# Altium PCB WhiteRHINO_0v1.PcbDoc (part 10 of 10)
Units mm, origin at the board's own origin, x right, y up, seen from the top; angles counter-clockwise.
Board outline 120.2 x 121.5 mm, 12 copper layers (L1_Top Layer, L2_GND, L3_Critical, L4_Critical, L5_GND, L6_Power, L7_Non-Critical, L8_Power, L9_Critical, L10_Critical, L11_GND, L12_Bottom Layer), stack 1.414 mm thick; 837 components, 556 nets, 3237 pads, 1790 vias.
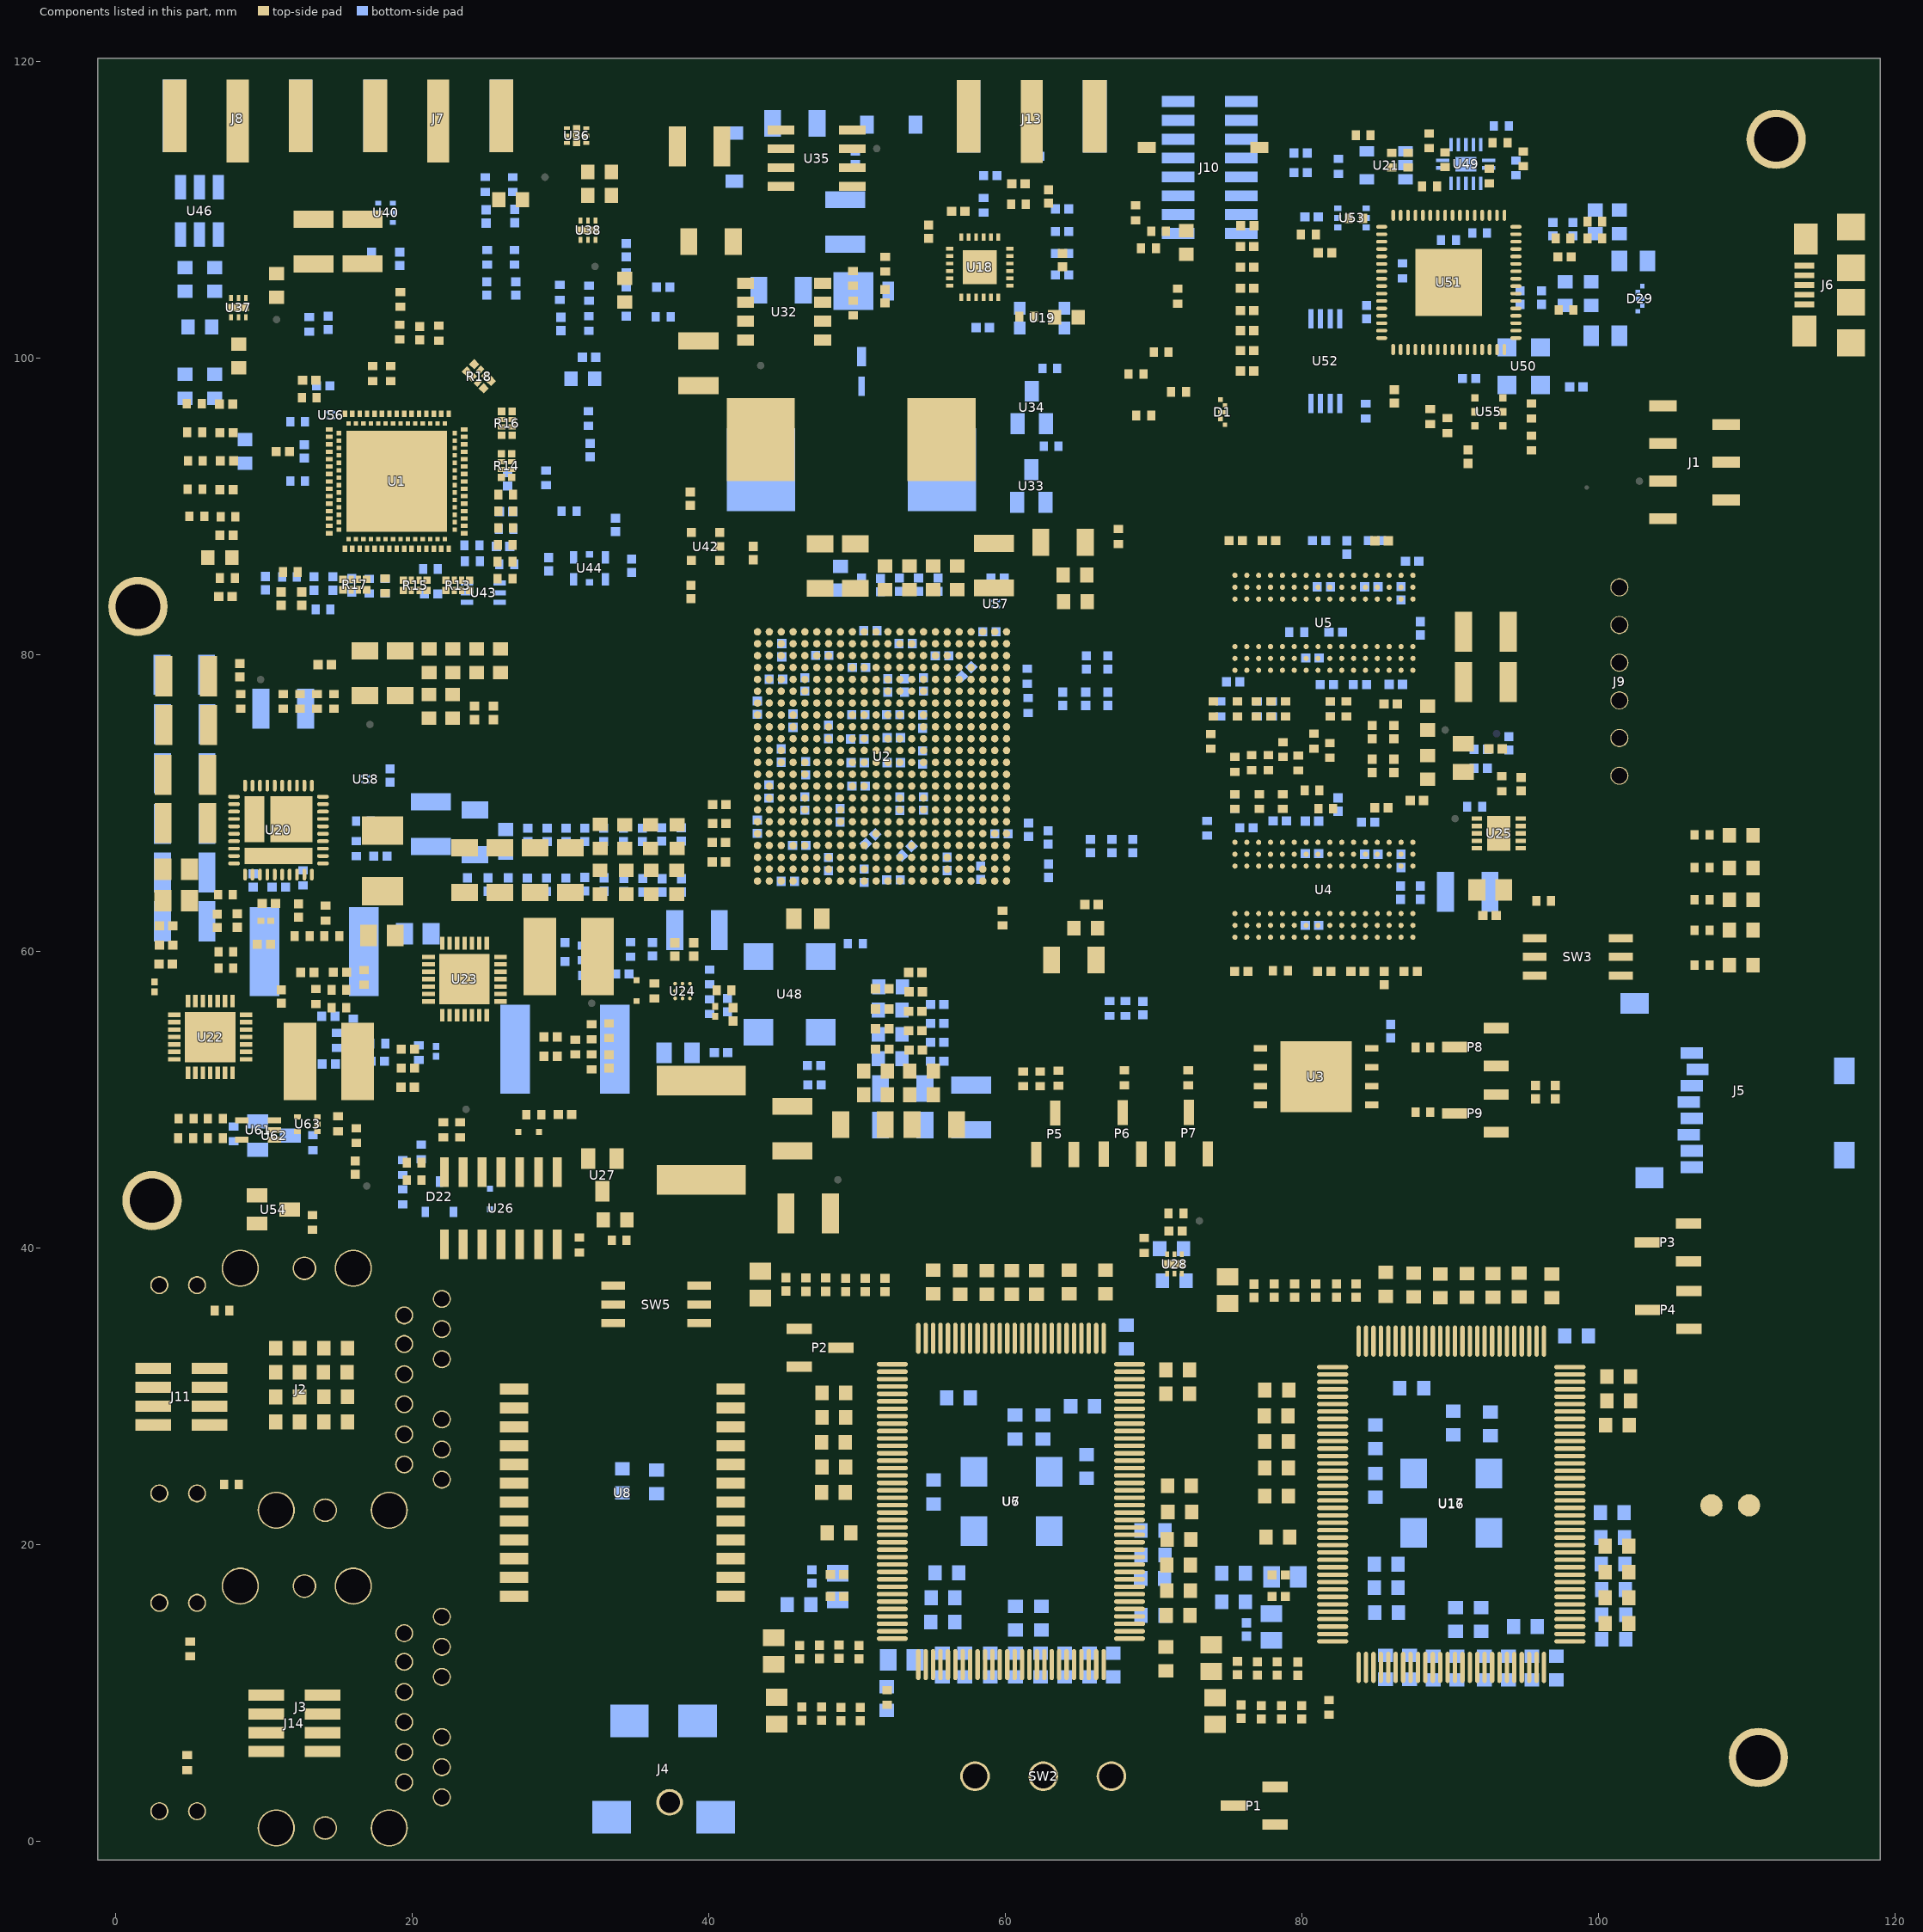
[diagram p20: the components of this part, seen from the top]

## Polygon pours and split planes (outlines as drawn) (continued)
GND on L2_GND (split plane): 118.515,-0.79 -0.665,-0.79 -0.665,111.398 0.25,111.398 0.315,111.406 0.376,111.432 0.428,111.472 0.449,111.498 15.608,111.498 16.928,110.178 16.961,110.156 17,110.148 21.525,110.148 21.564,110.156 21.597,110.178 24.142,112.723 28.225,112.723 28.264,112.731 28.297,112.753 28.322,112.778 28.344,112.811 28.352,112.85 28.352,118.597 28.376,118.607 28.428,118.647 28.468,118.699 28.494,118.76 28.502,118.825 28.502,119.69 55.623,119.69 55.623,118.775 55.631,118.71 55.657,118.649 55.697,118.597 55.749,118.557 55.773,118.547 55.773,113.375 55.781,113.336 55.803,113.303 56.103,113.003 56.136,112.981 56.175,112.973 59.883,112.973 60.353,112.503 60.386,112.481 60.425,112.473 63.05,112.473 63.089,112.481 63.122,112.503 63.817,113.198 66.5,113.198 66.539,113.206 66.572,113.228 66.997,113.653 67.019,113.686 67.027,113.725 67.027,118.822 67.051,118.832 67.103,118.872 67.143,118.924 67.169,118.985 67.177,119.05 67.177,119.69 118.515,119.69
GND on L5_GND (split plane): 118.515,-0.79 -0.665,-0.79 -0.665,119.69 118.515,119.69
DDR_0V75 on L6_Power (split plane): 84.873,70.965 84.856,70.939 84.848,70.9 84.856,70.861 84.878,70.828 84.911,70.806 84.95,70.798 90.198,70.798 90.198,66.377 83.475,66.377 83.452,66.372 83.452,68.075 83.444,68.114 83.422,68.147 82.772,68.797 82.739,68.819 82.7,68.827 81.325,68.827 81.286,68.819 81.253,68.797 80.728,68.272 80.706,68.239 80.698,68.2 80.698,66.377 71.502,66.377 71.502,77.775 71.497,77.8 71.502,77.825 71.502,78.498 84.873,78.498
VCC1V0 on L6_Power (split plane): 51.623,62.827 21.967,62.827 21.302,63.492 21.302,73.298 38.85,73.298 38.889,73.306 38.922,73.328 41.842,76.248 51.623,76.248
VCC_1V8_RXLO_LM on L6_Power (split plane): 36.173,100.452 31.277,100.452 31.277,101.3 31.277,106 31.277,106.073 36.173,106.073
A_VCC1V8 on L6_Power (split plane): 97.873,115.308 97.873,99.967 92.258,94.352 64.575,94.352 64.536,94.344 64.503,94.322 55.628,85.447 55.606,85.414 55.598,85.375 55.598,83.275 55.598,80.427 54.95,80.427 54.911,80.419 54.878,80.397 54.853,80.372 54.831,80.339 54.823,80.3 54.823,79.55 54.823,78.077 54.175,78.077 54.138,78.069 54.1,78.077 54.061,78.069 54.028,78.047 54.006,78.014 53.998,77.975 53.998,77.15 53.998,70.325 53.998,69.186 53.978,69.172 53.956,69.139 53.948,69.1 53.956,69.061 53.978,69.028 53.998,69.014 53.998,59.375 54.006,59.336 54.028,59.303 54.061,59.281 54.1,59.273 54.139,59.281 54.165,59.298 57.933,59.298 59.573,57.658 59.573,43.401 59.573,43.4 59.581,43.361 59.603,43.328 64.253,38.678 64.286,38.656 64.325,38.648 97.983,38.648 105.423,31.208 105.423,-0.097 105.399,-0.107 105.347,-0.147 105.307,-0.199 105.281,-0.26 105.273,-0.325 105.273,-0.79 41.077,-0.79 41.077,0.025 41.069,0.09 41.043,0.151 41.003,0.203 40.951,0.243 40.927,0.253 40.927,34.708 48.097,41.878 48.119,41.911 48.127,41.95 48.127,58.383 49.042,59.298 51.7,59.298 51.739,59.306 51.772,59.328 51.797,59.353 51.819,59.386 51.827,59.425 51.827,77.15 51.827,77.798 52.475,77.798 52.514,77.806 52.547,77.828 52.569,77.861 52.577,77.9 52.577,80.223 53.3,80.223 53.339,80.231 53.372,80.253 53.394,80.286 53.402,80.325 53.402,83.275 53.402,86.958 65.042,98.598 77.125,98.598 77.164,98.606 77.197,98.628 79.647,101.078 79.669,101.111 79.677,101.15 79.677,115.308 80.892,116.523 96.658,116.523
DDR_VREF on L6_Power (split plane): 90.128,84.978 90.228,84.878 93.873,81.233 93.873,61.967 92.033,60.127 75.442,60.127 66.397,69.172 66.364,69.194 66.325,69.202 54.202,69.202 54.202,70.325 54.202,76.198 61.95,76.198 61.989,76.206 62.022,76.228 74.792,88.998 86.108,88.998
VCC_3V3_LM on L6_Power (split plane): 33.773,110.25 33.781,110.185 33.807,110.124 33.847,110.072 33.899,110.032 33.96,110.006 34.025,109.998 52.75,109.998 52.815,110.006 52.876,110.032 52.928,110.072 54.979,112.123 63.746,112.123 66.473,109.396 66.473,104.729 63.571,101.827 55.204,101.827 50.528,106.503 50.476,106.543 50.415,106.569 50.35,106.577 31.025,106.577 30.96,106.569 30.899,106.543 30.847,106.503 30.807,106.451 30.781,106.39 30.773,106.325 30.773,106 30.773,105.775 30.773,101.552 29.127,101.552 29.127,103.596 29.128,103.597 29.168,103.649 29.194,103.71 29.202,103.775 29.202,106.078 29.218,106.099 29.244,106.16 29.252,106.225 29.252,113.475 29.244,113.54 29.218,113.601 29.178,113.653 29.126,113.693 29.065,113.719 29,113.727 26.075,113.727 26.01,113.719 25.949,113.693 25.897,113.653 25.857,113.601 25.831,113.54 25.823,113.475 25.823,111.375 25.831,111.31 25.857,111.249 25.873,111.228 25.873,102.825 25.873,96.75 25.873,96.725 25.881,96.66 25.907,96.599 25.947,96.547 28.749,93.745 28.756,93.685 28.782,93.624 28.822,93.572 31.773,90.621 31.773,87.429 30.721,86.377 28.902,86.377 28.902,87.525 28.894,87.59 28.868,87.651 28.828,87.703 28.776,87.743 28.715,87.769 28.65,87.777 25.3,87.777 25.235,87.769 25.174,87.743 25.122,87.703 25.082,87.651 25.056,87.59 25.048,87.525 25.048,84.404 23.546,82.902 9.552,82.902 9.552,87.173 10.05,87.173 10.115,87.181 10.176,87.207 10.228,87.247 12.603,89.622 12.643,89.674 12.669,89.735 12.677,89.8 12.677,108.225 12.669,108.29 12.643,108.351 12.603,108.403 12.551,108.443 12.49,108.469 12.425,108.477 9.3,108.477 9.235,108.469 9.174,108.443 9.122,108.403 9.082,108.351 9.056,108.29 9.048,108.225 9.048,90.302 3.677,90.302 3.677,97.925 3.677,98.6 3.677,107.95 3.677,114.021 5.304,115.648 22.603,115.648 22.624,115.632 22.685,115.606 22.75,115.598 22.815,115.606 22.876,115.632 22.928,115.672 22.929,115.673 33.773,115.673
VCC_1V8_TXLO_LM on L6_Power (split plane): 12.173,89.904 9.946,87.677 3.627,87.677 3.627,89.798 9.3,89.798 9.365,89.806 9.426,89.832 9.478,89.872 9.518,89.924 9.544,89.985 9.552,90.05 9.552,107.973 12.173,107.973
VU_12V0 on L6_Power (split plane): 173 vertices, not listed, extent -0.665,-0.79 118.515,119.69
VCC_1V8_LM on L6_Power (split plane): 28.748,106.297 28.732,106.276 28.706,106.215 28.698,106.15 28.698,104.054 28.697,104.053 28.657,104.001 28.631,103.94 28.623,103.875 28.623,101.3 28.631,101.235 28.657,101.174 28.697,101.122 28.749,101.082 28.81,101.056 28.875,101.048 30.773,101.048 30.773,100.25 30.776,100.225 30.773,100.2 30.781,100.135 30.807,100.074 30.847,100.022 30.899,99.982 30.96,99.956 31.025,99.948 33.798,99.948 33.798,96.85 33.798,93.9 33.798,85.354 29.146,80.702 4.675,80.702 4.429,80.702 3.677,81.454 3.677,84.575 3.669,84.64 3.643,84.701 3.627,84.722 3.627,87.173 9.048,87.173 9.048,82.75 9.054,82.7 9.048,82.65 9.056,82.585 9.082,82.524 9.122,82.472 9.174,82.432 9.235,82.406 9.3,82.398 23.65,82.398 23.715,82.406 23.776,82.432 23.828,82.472 25.478,84.122 25.518,84.174 25.544,84.235 25.552,84.3 25.552,87.273 28.398,87.273 28.398,86.15 28.399,86.138 28.398,86.125 28.406,86.06 28.432,85.999 28.472,85.947 28.524,85.907 28.585,85.881 28.65,85.873 30.825,85.873 30.89,85.881 30.951,85.907 31.003,85.947 32.203,87.147 32.243,87.199 32.269,87.26 32.277,87.325 32.277,90.725 32.269,90.79 32.251,90.833 32.243,90.851 32.226,90.874 32.203,90.903 29.251,93.855 29.244,93.915 29.218,93.976 29.178,94.028 26.377,96.829 26.377,102.825 26.377,113.1 26.369,113.165 26.345,113.223 28.748,113.223
VCC1V0 on L8_Power (split plane): 55.623,75.627 54.925,75.627 54.886,75.619 54.853,75.597 54.828,75.572 54.806,75.539 54.798,75.5 54.798,73.9 54.798,69.875 54.806,69.836 54.828,69.803 54.861,69.781 54.9,69.773 55.586,69.773 55.586,69.15 52.602,69.15 52.602,69.875 52.594,69.914 52.572,69.947 52.539,69.969 52.5,69.977 49.427,69.977 49.427,76.223 55.623,76.223
VCC_6V0_SG on L8_Power (split plane): 51.298,118.475 51.306,118.41 51.332,118.349 51.372,118.297 51.424,118.257 51.448,118.247 51.448,102.492 46.433,97.477 38.577,97.477 38.577,118.384 38.591,118.403 38.617,118.464 38.625,118.529 38.625,119.69 51.298,119.69
DDR_1V5 on L8_Power (split plane): 89.748,89.05 89.748,56.627 74.717,56.627 73.322,58.022 73.289,58.044 73.25,58.052 62.002,58.052 62.002,65.05 61.994,65.089 61.972,65.122 61.947,65.147 61.914,65.169 61.875,65.177 58.217,65.177 58.202,65.192 58.202,65.775 58.202,67.525 58.194,67.564 58.172,67.597 58.139,67.619 58.1,67.627 57.427,67.627 57.427,68.25 57.419,68.289 57.397,68.322 57.364,68.344 57.325,68.352 56.577,68.352 56.577,69.875 56.569,69.914 56.547,69.947 56.514,69.969 56.475,69.977 55.002,69.977 55.002,73.9 55.002,75.423 55.725,75.423 55.764,75.431 55.797,75.453 55.819,75.486 55.827,75.525 55.827,76.223 56.5,76.223 56.539,76.231 56.572,76.253 56.597,76.278 56.619,76.311 56.627,76.35 56.627,77.023 58,77.023 58.039,77.031 58.072,77.053 58.094,77.086 58.102,77.125 58.102,78.825 58.102,81.175 58.102,81.923 60.225,81.923 60.264,81.931 60.297,81.953 60.319,81.986 60.327,82.025 60.327,82.033 61.089,82.795 61.111,82.828 61.119,82.867 61.119,84.545 61.18,89.012 65.626,89.073 89.753,89.073
VCC3V3 on L8_Power (split plane): 168 vertices, not listed, extent -0.223,-0.79 118.515,119.69
VCC5V0 on L8_Power (split plane): 22.646,62.657 22.66,62.648 22.675,62.639 22.677,62.638 22.68,62.636 22.697,62.634 22.714,62.631 40.748,62.631 40.748,45.479 40.1,45.479 40.09,45.477 -0.223,45.477 -0.223,80.618 2.461,80.618
VADJ on L8_Power (split plane): 38.121,118.529 38.129,118.464 38.155,118.403 38.195,118.351 38.247,118.31 38.308,118.285 38.373,118.277 38.373,118.075 38.373,97.44 38.356,97.414 38.348,97.375 38.356,97.336 38.373,97.31 38.373,85.475 38.381,85.436 38.403,85.403 41.848,81.958 41.848,78.75 41.856,78.711 41.878,78.678 42.703,77.853 42.736,77.831 42.775,77.823 45.808,77.823 45.998,77.633 45.998,77.325 46.006,77.286 46.028,77.253 46.228,77.053 46.261,77.031 46.3,77.023 49.223,77.023 49.223,69.915 49.206,69.889 49.198,69.85 49.198,62.827 40.889,62.827 40.85,62.835 22.752,62.835 0.049,83.037 0.015,83.057 -0.025,83.063 -0.063,83.053 -0.095,83.029 -0.115,82.994 -0.12,82.955 -0.11,82.917 -0.086,82.885 2.232,80.822 0.083,80.822 0.076,80.86 0.053,80.893 0.02,80.915 -0.019,80.923 -0.058,80.915 -0.091,80.893 -0.162,80.822 -0.223,80.822 -0.223,82.525 -0.231,82.564 -0.253,82.597 -0.286,82.619 -0.325,82.627 -0.364,82.619 -0.397,82.597 -0.419,82.564 -0.427,82.525 -0.427,80.792 -0.449,80.759 -0.457,80.72 -0.449,80.681 -0.427,80.648 -0.427,-0.79 -0.665,-0.79 -0.665,119.69 38.121,119.69
GND on L11_GND (split plane): 118.515,-0.79 -0.665,-0.79 -0.665,119.69 118.515,119.69

## Other copper
L1_Top Layer:
  rectangle net GND: 65.1,118.375 67.625,118.85
  rectangle net GND: 53.5,117.775 57.075,118.725
  rectangle net GND: 4.6,82.55 5.825,84.525
  rectangle net GND: 0.075,86.675 2.175,87.05
  rectangle net GND: 2.025,86.7 5.15,88.225
  rectangle net GND: 1.575,87.975 1.875,88.225
  rectangle net GND: 0.825,110.5 1.725,110.7
  rectangle net GND: 0.825,110.5 2.425,110.6
  rectangle net GND: 25.5,116.675 33.55,118.725
  rectangle net GND: 12.9,113.825 17.1,118.725
  rectangle net GND: 1.8,113.875 3.975,118.775
  rectangle net VCC3V3: 46.7,82.925 57.425,84.925
  rectangle net VADJ: 41.05,64.1 42,70.2
  rectangle net VADJ: 20.75,76.925 24.4,79.15
  rectangle net VADJ: 23.95,76.3 26.45,79.125
  rectangle net VCC1V0: 22.775,65.1 38.1,67.25
  rectangle net VU_12V0: 6.025,71.425 7.5,79.85
  rectangle net GND: 75,98.8 75.95,109.225
  rectangle net VCC3V3: 76.675,98.75 77.8,109.225
  rectangle net GND: 4.9,81.6 28.5,82.075
  rectangle net GND: 36.1,83.725 36.717,88.142
  rectangle net GND: 27.967,83.225 36.717,83.725
  rectangle net VCC3V3: 41.45,85.7 42.375,88.6
  rectangle net GND: 36.1,88.142 36.717,88.35
  rectangle net GND: 72.3,12.75 73.35,14.125
  rectangle net GND: 43.075,13.275 50.8,14.925
  rectangle net GND: 43.075,6.425 50.875,8.025
  rectangle net A_VCC1V8: 43.15,9.15 50.85,12.2
  rectangle net GND: 42.325,38.05 52.55,39.525
  rectangle net VCC3V3: 42.375,35.475 52.525,37.15
  rectangle net GND: 75.125,12.55 75.35,12.875
  rectangle net GND: 75.35,11.925 80.2,12.925
  rectangle net GND: 73.15,12.75 80.2,14.125
  rectangle net GND: 72.6,6.875 80.3,8.425
  rectangle net A_VCC1V8: 72.5,9.075 80.325,11.175
  rectangle net GND: 74.3,35.25 83.975,36.55
  rectangle net VCC3V3: 74.25,37.5 83.975,39.125
  rectangle net DDR_1V5: 62.025,85.725 63.1,86.45
  rectangle net DDR_1V5: 61.55,86.075 62.9,88.8
  rectangle net DDR_1V5: 61.55,82.875 64.225,86.075
  rectangle net GND: 65.175,82.975 66.975,88.5
  rectangle net GND: 62.65,62.5 64.8,63.225
  rectangle net GND: 63.35,60.7 63.95,61.275
  rectangle net GND: 63.475,62.1 64.6,62.8
  rectangle net GND: 62.375,62.7 65.35,63.45
  rectangle net GND: 62.425,61.075 64.925,62.125
  rectangle net GND: 62.375,58.5 63.625,63.2
  rectangle net DDR_1V5: 84.325,73.825 87.675,74.6
  rectangle net GND: 87.6,70.875 89.275,71.95
  rectangle net GND: 84.15,71.3 87.725,72.275
  rectangle net GND: 86.2,74.925 87.175,77.125
  rectangle net GND: 84.45,74.925 87.175,75.8
  rectangle net GND: 36.1,88.35 36.717,118.725
  rectangle net GND: 27.925,81.9 28.5,83.3
  rectangle net VCC_1V8_TXLO_LM: 10.45,102.625 11.3,103.975
  rectangle net GND: 36.1,118.175 53.5,118.725
  rectangle net GND: 52.975,99.275 53.525,118.725
  rectangle net GND: 53.025,99.25 59.4,99.75
  rectangle net GND: 58.75,89.875 59.425,100.7
  rectangle net GND: 36.125,92.375 40.2,92.95
  rectangle net GND: 39.575,89.55 40.2,92.9
  rectangle net GND: 39.575,89.35 59.425,89.975
  rectangle net GND: 58.75,100.425 67.6,100.925
  rectangle net GND: 67.05,100.425 67.625,118.65
  rectangle net GND: 86.2,76.1 89.15,77.125
  rectangle net GND: 33.625,97.025 36.4,100.7
  rectangle net GND: 31.4,83.7 36.275,84.475
  rectangle net GND: 4.4,81.925 8.775,83.075
  rectangle net GND: 1.625,86.825 2.975,110.65
  rectangle net GND: 32.825,116.65 36.225,118.725
  rectangle net GND: 34.075,113.9 36.275,117.05
  rectangle net GND: 34.175,91.95 36.325,94.45
  rectangle net GND: 65.1,114 67.425,118.375
  rectangle net GND: 53.25,115.475 57,118.3
  rectangle net GND: 53.175,99.475 56.725,102.35
  rectangle net GND: 4.4,81.625 5.125,87.05
  rectangle net GND: 1.725,98.1 5.65,110.65
  rectangle net GND: 35.875,116.75 40.7,118.4
  rectangle net GND: 0.075,86.9 1.8,118.775
  rectangle net GND: 25.45,82.05 27.967,83.725
L12_Bottom Layer:
  rectangle net GND: 4.4,80.7 5.225,88.05
  rectangle net GND: 0.125,86.65 5,88.05
  rectangle net VCC1V0: 27.15,66.025 27.825,66.775
  rectangle net VCC1V0: 27.275,66.325 27.8,66.975
  rectangle net VCC3V3: 48.425,82.925 55.85,84.525
  rectangle net VCC1V0: 23.475,64.922 27.784,66.6
  rectangle net VCC1V0: 27.525,64.884 38.166,67.45
  region net VCC5V0: 7.7,60.775 7.7,79.95 5.85,79.95 5.85,60.775
  rectangle net GND: 1.575,86.75 2.25,118.75
  rectangle net GND: 4.425,80.675 27.075,81.05
  rectangle net GND: 26.7,80.675 27.075,81.85
  rectangle net GND: 26.675,81.5 39.75,81.85
  rectangle net GND: 39.175,81.5 39.75,118.65
  rectangle net GND: 39.15,87.4 59.425,87.9
  rectangle net GND: 58.775,87.4 59.425,100.35
  rectangle net GND: 52.975,99.275 59.4,99.775
  rectangle net GND: 52.975,99.275 53.525,112.075
  rectangle net GND: 52.975,111.5 56.5,112.075
  rectangle net GND: 55.9,111.5 56.5,118.625
  rectangle net GND: 39.325,118.175 56.5,118.775
  rectangle net GND: 58.75,100.075 67.6,100.6
  rectangle net GND: 67.05,100.175 67.6,118.725
  rectangle net GND: 56.225,118.075 67.6,118.775
  rectangle net GND: 36.425,91.525 39.425,95.775
  rectangle net GND: 35.925,116.6 39.175,118.65
  rectangle net GND: 36.125,106.225 39.6,111.5
  rectangle net GND: 4.7,80.875 10.7,81.825
  rectangle net GND: 1.725,86.75 2.7,110.6
  rectangle net GND: 54.2,116.875 57.975,118.45
  rectangle net GND: 63.425,116.125 67.175,118.45
  rectangle net GND: 53.175,99.45 56.5,101.575
  rectangle net GND: 65.225,100.25 67.375,102.2
  rectangle net GND: 53.075,97.35 56.475,99.65
  rectangle net GND: 0.025,86.7 1.575,118.75
  rectangle net GND: 1.575,113.875 3.675,118.75
  rectangle net GND: 13.125,113.825 17.15,118.775
  rectangle net GND: 26.625,116.625 37.075,118.725
L2_GND (plane layer: these items are gaps in the copper):
  pour cut-out: -0.665,119.69 -0.675,115.225 -0.665,111.902 15.925,111.775 17.15,110.55 21.325,110.55 24,113.225 27.825,113.225 27.825,118.8 27.725,119.75 13.675,119.7 -0.35,119.75
  pour cut-out: 55.975,119.825 55.975,119.7 55.992,113.402 56.217,113.177 59.967,113.177 60.467,112.677 63.019,112.677 63.759,113.417 66.473,113.417 66.823,113.767 66.8,119.775 61.325,119.775
  lines w0.2: -0.275,111.6 15.65,111.6 17,110.25 21.525,110.25 24.1,112.825 28.225,112.825 28.25,112.85 28.25,119.075 ; 55.875,119.025 55.875,113.375 56.175,113.075 59.925,113.075 60.425,112.575 63.05,112.575 63.775,113.3 66.5,113.3 66.925,113.725 66.925,119.225
  lines w0.5: -1.325,111.65 0.25,111.65 ; 28.25,118.825 28.25,120.175 ; 55.875,118.775 55.875,120.375 ; 66.925,119.05 66.925,120.125
L6_Power (plane layer: these items are gaps in the copper):
  lines w0.2: 40.825,-0.4 40.825,34.75 48.025,41.95 48.025,58.425 49,59.4 51.7,59.4 51.725,59.425 51.725,77.15 51.725,77.875 51.75,77.9 52.475,77.9 52.475,80.3 52.5,80.325 53.3,80.325 53.3,83.275 53.3,87 65,98.7 77.075,98.7 ; 41.7,76.325 41.725,76.35 49.35,76.35 51.725,76.35 ; 41.812,76.363 38.85,73.4 21.2,73.4 21.2,63.45 21.925,62.725 51.7,62.725 ; 54.05,69.1 66.325,69.1 75.4,60.025 92.075,60.025 93.975,61.925 93.975,81.275 90.2,85.05 ; 54.1,59.375 54.1,70.325 54.1,77.15 54.1,77.975 ; 54.1,59.4 57.975,59.4 59.675,57.7 59.675,43.4 64.325,38.75 98.025,38.75 105.525,31.25 105.525,-0.325 105.55,-0.35 ; 54.125,76.3 61.95,76.3 74.75,89.1 86.15,89.1 90.3,84.95 ; 54.175,77.975 54.925,77.975 54.925,79.55 54.925,80.3 54.95,80.325 55.7,80.325 55.7,83.275 55.7,85.375 64.575,94.25 92.3,94.25 97.975,99.925 97.975,115.35 96.7,116.625 80.85,116.625 79.575,115.35 79.575,101.15 77.125,98.7 76.725,98.7 ; 71.4,77.775 71.4,66.275 80.8,66.275 80.8,68.2 81.325,68.725 82.7,68.725 83.35,68.075 83.35,66.275 ; 71.4,77.825 71.4,78.6 84.975,78.6 84.975,70.925 84.95,70.9 90.3,70.9 90.3,66.275 83.475,66.275
  lines w0.5: 3.375,84.625 3.375,87.425 ; 3.425,84.575 3.425,81.35 4.3,80.475 ; 3.425,90.3 3.425,97.925 3.425,98.6 3.425,107.95 3.425,114.125 5.2,115.9 22.7,115.9 ; 4.325,80.45 5.65,80.45 ; 4.675,80.45 29.25,80.45 34.025,85.225 ; 9.3,82.65 23.65,82.65 25.3,84.3 25.3,87.525 28.65,87.525 28.65,86.15 28.675,86.125 ; 9.3,82.75 9.3,87.425 ; 22.75,115.85 22.675,115.925 34.025,115.925 34.025,110.25 38.8,110.25 52.75,110.25 54.875,112.375 63.85,112.375 66.725,109.5 66.725,104.625 63.675,101.575 55.1,101.575 50.35,106.325 36.425,106.325 ; 26.075,111.375 26.075,113.475 29,113.475 29,106.225 ; 26.125,113.1 26.125,102.825 26.125,96.75 26.125,96.725 29,93.85 ; 28.65,86.125 30.825,86.125 32.025,87.325 32.025,90.725 29,93.75 ; 28.875,103.875 28.875,101.3 31.025,101.3 ; 28.95,103.775 28.95,106.15 ; 31.025,100.2 36.425,100.2 ; 31.025,100.25 31.025,101.3 ; 31.025,105.775 31.025,106.325 36.425,106.325 ; 31.025,106 31.025,101.3 ; 34.05,85.25 34.05,93.9 34.05,96.85 34.05,100.175 ; 36.45,100.15 36.425,100.175 36.425,106.325 ; 40.825,-1.325 40.825,0.025 ; 105.525,-1.275 105.525,-0.325 ; 3.375,87.425 3.375,90.05 9.3,90.05 9.3,108.225 12.425,108.225 12.425,89.8 10.05,87.425 9.3,87.425 ; 3.375,87.425 9.3,87.425
L5_GND (plane layer: these items are gaps in the copper):
  lines w0.2: 28.25,112.85 28.275,112.825
L11_GND (plane layer: these items are gaps in the copper):
  lines w0.5: 1.825,118.3 1.875,118.35 ; 39.725,99.475 39.75,99.5
L8_Power (plane layer: these items are gaps in the copper):
  lines w0.2: -0.355,80.72 2.5,80.72 -0.12,80.72 -0.019,80.821 ; -0.325,-0.975 -0.325,82.525 ; -0.275,45.375 1.7,45.375 40.6,45.375 ; -0.019,82.961 22.714,62.733 40.85,62.733 40.85,45.402 40.825,45.377 ; 38.45,97.375 46.475,97.375 51.55,102.45 51.55,118.475 ; 38.45,118.464 38.475,118.439 ; 38.475,118.075 38.475,119.275 38.475,118.439 ; 40.1,45.377 40.925,45.377 ; 40.85,62.725 49.3,62.725 49.3,69.85 49.325,69.875 ; 49.427,76.325 55.725,76.325 ; 51.55,118.275 51.55,119.375 ; 55.425,69.875 54.9,69.875 ; 55.688,69.875 55.688,69.061 55.675,69.048 52.5,69.048 52.5,69.875 ; 85.475,89.175 88.7,89.175 ; 85.625,89.175 65.625,89.175 61.08,89.113 61.017,84.546 61.017,82.867 60.225,82.075 60.225,82.025 58,82.025 58,81.175 58,78.825 58,77.125 56.525,77.125 56.525,76.35 56.5,76.325 55.725,76.325 ; 88.575,89.175 89.225,89.175 89.975,89.175 89.85,89.05 89.85,56.55 89.825,56.525 88.65,56.525 74.675,56.525 73.25,57.95 61.9,57.95 61.9,65.05 61.875,65.075 61.025,65.075 58.9,65.075 58.175,65.075 58.1,65.15 58.1,65.775 58.1,67.525 57.325,67.525 57.325,68.25 56.5,68.25 56.475,68.275 56.475,69.875 54.9,69.875 ; 113.009,118.464 113.043,118.497 ; 38.475,118.439 38.475,85.475 41.95,82 41.95,78.75 42.775,77.925 45.85,77.925 46.1,77.675 46.1,77.325 46.3,77.125 49.275,77.125 49.325,77.175 49.325,69.875 ; 49.325,69.875 52.5,69.875 ; 52.5,69.875 52.5,69.875 ; 54.9,69.875 54.9,73.9 54.9,75.5 54.925,75.525 55.65,75.525 55.725,75.525 55.725,76.325
  lines w0.5: 38.373,118.529 38.373,120.273 ; 51.55,118.475 51.55,120.25

## Silkscreen, mask and mechanical layers (free items; w line width, h text height)
Top Overlay:
  drawing of 4262 lines, arcs and shapes, not listed
  text "Design by" at 112.353,88.439 h2.03 r90
  text "Alan Langman" at 114.85,85.175 h2.03 r90
  text "Ojonav Hazarika" at 116.65,83.5 h2.03 r90
  text "WHITE RHINO" at 116.5,41.575 h3 r90
  text "May 2013" at 114.2,25.55 h1.5 r90
  text "SHIELD" at 108.525,13.625 h1 r90
  text "White RHINO v0.1" at 114.4,2.925 h1.5 r90
  text "(C) Alan Langman and Ojonav Hazarika" at 117.225,2.925 h1.5 r90
  text "Cape Town" at 107.408,1.937 h1.52 r90
  text "University of" at 105.884,1.683 h1.52 r90
  text "S/N" at 116.858,1.478 h1.5 r180
Mechanical 16:
  lines w0.5: -1.175,-1.3 119.025,-1.3 119.025,120.2 -1.175,120.2 -1.175,119.025 -1.175,-1.3
Drill Drawing:
  drawing of 173 lines, arcs and shapes, not listed
  text "1" at 7.851,414.132 h1.78
  text "2" at 109.324,414.132 h1.78
  text "3" at 210.797,414.132 h1.78
  text "4" at 312.423,414.132 h1.78
  text "5" at 413.98,414.132 h1.78
  text "REVISION STATUS" at 370.985,406.681 h2.78
  text "DESCRIPTION" at 371.284,402.158 h1.91
  text "DRAWN" at 416.616,402.158 h1.52
  text "APPROVED" at 429.948,402.158 h1.52
  text "DATE" at 447.947,402.158 h1.52
  text "REV" at 341.399,401.929 h1.52
  text "1.0" at 341.632,393.485 h1.52
  text "A" at -39.542,352.973 h1.78
  text "NOTES (UNLESS OTHERWISE SPECIFIED):" at 143.4,312.875 h2.54
  text "1." at 138.258,303.447 h2.54
  text "MAT'L: COPPER CLAD PLATED SHEET PER IPC-4101B/124." at 145.878,303.447 h2.54
  text "a) LAMINATE AND PREPREG TO BE IN ACCORDANCE WITH IPC-4101B/124.  MATERIAL MUST" at 145.411,298.648 h2.54
  text "MEET UL 94V-0 FLAMMABILITY RATING.  THE MATERIAL SHALL BE ROHS COMPLIANT" at 150.491,294.838 h2.54
  text "WITH TG OF 150°C MINIMUM AND TD OF 330 C MINIMUM." at 150.491,290.393 h2.54
  text "b) COPPER FOIL TO BE IN ACCORDANCE WITH IPC-MF-150." at 144.776,285.948 h2.54
  text "FINISHED COPPER WEIGHT:" at 150.323,281.857 h2.54
  text "SEE BOARD STACKUP" at 153.498,278.047 h2.54
  text "c) TOTAL BOARD THICKNESS OVER MASK, 1.434 MM +/- 10%." at 144.141,273.248 h2.54
  text "2a." at 138.258,267.887 h2.54
  text "UNLESS OTHERWISE SPECIFIED ALL HOLE DIMENSIONS APPLY AFTER PLATING." at 145.878,267.887 h2.54
  text "2b.ALL PLATED THROUGH HOLES TO HAVE A MINIMUM OF .025 MM COPPER." at 138.142,262.604 h2.54
  text "3." at 138.258,254.552 h2.54
  text "ALL HOLES SHALL BE LOCATED WITHIN 0.75 MM DIAMETER OF TRUE" at 145.878,254.552 h2.54
  text "POSITION. LAYER TO LAYER REGISTRATION SHALL BE WITHIN .003\"." at 145.878,250.107 h2.54
  text "ALL HOLES SURROUNDED BY LAND SHALL HAVE A MINIMUM" at 145.243,245.662 h2.54
  text "ANNULAR RING OF 0.1 MM" at 145.878,241.217 h2.54
  text "4." at 138.258,236.772 h2.54
  text "CONDUCTOR WIDTHS AND SPACING SHALL BE WITHIN +/- 10%" at 145.878,236.772 h2.54
  text "OF ARTWORK ORIGINALS." at 145.878,232.327 h2.54
  text "5." at 138.258,227.882 h2.54
  text "APPLY SOLDERMASK (LIQUID PHOTO IMAGEABLE) OVER BARE COPPER," at 145.878,227.882 h2.54
  text "B" at -39.542,225.973 h1.78 r352.84
  text "B" at 460.838,225.598 h1.78
  text "SOLDERMASK TO BE PER IPC-SM-840, TYPE B, CLASS 3, TRANSPARENT" at 145.243,223.437 h2.54
  text "GREEN, ALL EXPOSED CONDUCTIVE SURFACES TO BE IMMERSION GOLD (ENIG)." at 145.243,218.992 h2.54
  text "TENT ALL VIAS." at 145.878,214.547 h2.54
  text "6." at 138.258,210.102 h2.54
  text "WARP OR TWIST OF BOARD SHALL NOT EXCEED .010 INCH PER INCH." at 145.878,210.102 h2.54
  text "7." at 138.258,205.022 h2.54
  text "SILKSCREEN COMPONENT SIDES (TOP AND BOTTOM) USING" at 145.878,205.022 h2.54
  text "BLUE NON-CONDUCTIVE INK. SILKSCREEN TO BE CRISP AND LEGIBLE." at 145.878,200.577 h2.54
  text "DO NOT CLIP SILKSCREEN OVER MASKED VIAS." at 145.751,196.132 h2.54
  text "8." at 138.258,191.687 h2.54
  text "REMOVE ALL BURRS AND BREAK SHARP EDGES 0.4 MM MAX." at 145.878,191.687 h2.54
  text "Symbol" at 7.811,187.738 h1.83
  text "Hit Count" at 20.66,187.738 h1.83
  text "Finished Hole Size" at 38.385,187.738 h1.83
  text "Plated" at 72.563,187.738 h1.83
  text "Hole Type" at 85.412,187.738 h1.83
  text "9." at 138.258,186.607 h2.54
  text "BOARD SHALL MEET THE REQUIREMENTS OF UL796 WITH A" at 145.878,186.607 h2.54
  text "3" at 20.66,183.928 h1.52
  text "64.96mil (1.650mm)" at 38.385,183.928 h1.52
  text "PTH" at 72.563,183.928 h1.52
  text "Round" at 85.412,183.928 h1.52
  text "FLAMMABILITY RATING OF 94V-0. VENDOR'S UL LOGO OR DESIGNATION" at 145.878,182.162 h2.54
  text "4" at 20.66,180.118 h1.52
  text "118.11mil (3.000mm)" at 38.385,180.118 h1.52
  text "PTH" at 72.563,180.118 h1.52
  text "Round" at 85.412,180.118 h1.52
  text "SHALL BE LOCATED ON SOLDER SIDE OF BOARD." at 145.243,177.717 h2.54
  text "5" at 20.66,176.308 h1.52
  text "55.12mil (1.400mm)" at 38.385,176.308 h1.52
  text "PTH" at 72.563,176.308 h1.52
  text "Round" at 85.412,176.308 h1.52
  text "10." at 136.988,172.637 h2.54
  text "FABRICATE IN ACCORDANCE WITH IPC-6012, CLASS 2." at 145.878,172.637 h2.54
  text "6" at 20.66,172.498 h1.52
  text "42.13mil (1.070mm)" at 38.385,172.498 h1.52
  text "PTH" at 72.563,172.498 h1.52
  text "Round" at 85.412,172.498 h1.52
  text "8" at 20.66,168.688 h1.52
  text "90.94mil (2.310mm)" at 38.385,168.688 h1.52
  text "PTH" at 72.563,168.688 h1.52
  text "Round" at 85.412,168.688 h1.52
  text "11." at 137.395,167.862 h2.54
  text "DIMENSIONS AND TOLERANCES PER ANSI Y14.5M." at 146.285,167.862 h2.54
  text "22" at 20.66,164.878 h1.52
  text "9.84mil (0.250mm)" at 38.385,164.878 h1.52
  text "PTH" at 72.563,164.878 h1.52
  text "Round" at 85.412,164.878 h1.52
  text "12." at 136.988,163.112 h2.54
  text "SURFACE MOUNT PAD SOLDER PLATING MUST BE FLAT TO A MAXIMUM" at 145.878,163.112 h2.54
  text "32" at 20.66,161.068 h1.52
  text "40.16mil (1.020mm)" at 38.385,161.068 h1.52
  text "PTH" at 72.563,161.068 h1.52
  text "Round" at 85.412,161.068 h1.52
  text "OF .003\" ABOVE BOARD SURFACE." at 145.878,159.302 h2.54
  text "41" at 20.66,157.258 h1.52
  text "12.99mil (0.330mm)" at 38.385,157.258 h1.52
  text "PTH" at 72.563,157.258 h1.52
  text "Round" at 85.412,157.258 h1.52
  text "13." at 136.988,154.857 h2.54
  text "DEFECTIVE BOARDS ON A PANEL SHALL BE MARKED WITH A BLACK \"X\"," at 145.878,154.857 h2.54
  text "103" at 20.66,153.448 h1.52
  text "15.75mil (0.400mm)" at 38.385,153.448 h1.52
  text "PTH" at 72.563,153.448 h1.52
  text "Round" at 85.412,153.448 h1.52
  text "COVERING 80% OR MORE OF THE BOARD." at 145.675,150.412 h2.54
  text "778" at 20.66,149.638 h1.52
  text "3.94mil (0.100mm)" at 38.385,149.638 h1.52
  text "PTH" at 72.563,149.638 h1.52
  text "Round" at 85.412,149.638 h1.52
  text "14." at 136.988,145.967 h2.54
  text "OK TO REMOVE NON-FUNCTIONAL PADS ON INNER LAYERS." at 145.878,145.967 h2.54
  text "838" at 20.66,145.828 h1.52
  text "7.87mil (0.200mm)" at 38.385,145.828 h1.52
  text "PTH" at 72.563,145.828 h1.52
  text "Round" at 85.412,145.828 h1.52
  text "1840 Total" at 20.66,142.018 h1.52
  text "15." at 136.988,141.522 h2.54
  text "VIA THERMALS ON PLANE LAYERS CAN BE REMOVED FOR DIRECT CONNECTION." at 145.751,141.522 h2.54
  text "**" at 130.054,136.621 h2.54
  text "16." at 136.988,136.442 h2.54
  text "CONTROLLED IMPEDANCE DIFF TRACES ON ALL LAYERS, EXCEPT L7_NonCritical" at 145.751,136.442 h2.54
  text "17." at 136.738,131.178 h2.54
  text "IT IS AT THE DISCRETION OF THE FABRICATOR TO BLOCK MASK FINE PITCH PADS." at 145.501,131.178 h2.54
  text "18." at 136.825,125.4 h2.54
  text "SILKSCREEN COLOUR SHALL BE WHITE." at 145.628,125.402 h2.54
  text "C" at -39.542,98.973 h1.78
  text "C" at 460.838,98.598 h1.78
  text "Layer Stack Up Detail for: WhiteRHINO_0v1.PcbDoc" at 160.574,86.586 h2.5
  text "Layer" at 160.574,83.222 h1.1
  text "Gerber" at 190.956,83.222 h1.1
  text "Copper" at 206.346,83.222 h1.1
  text "Dielectric" at 223.532,83.222 h1.1
  text "Dielectric" at 241.488,83.222 h1.1
  text "Dielectric" at 264.122,83.222 h1.1
  text "Name" at 160.574,81.022 h1.1
  text "Document" at 190.956,81.022 h1.1
  text "Thickness" at 206.346,81.022 h1.1
  text "Height" at 223.532,81.022 h1.1
  text "Material" at 241.488,81.022 h1.1
  text "Constant" at 264.122,81.022 h1.1
  text "Top Solder Mask" at 160.574,77.903 h1.55
  text "(.GTS)" at 190.956,77.903 h1.55
  text "0.0102mm" at 223.532,77.903 h1.55
  text "Solder Resist" at 241.488,77.903 h1.55
  text "3.50" at 264.122,77.903 h1.55
  text "L1_Top Layer" at 160.574,73.485 h1.55
  text "(.GTL)" at 190.956,73.485 h1.55
  text "0.015mm" at 206.346,73.485 h1.55
  text "0.077mm" at 223.532,71.276 h1.55
  text "FR-4" at 241.488,71.276 h1.55
  text "4.40" at 264.122,71.276 h1.55
  text "L2_GND" at 160.574,69.067 h1.55
  text "(.GP1)" at 190.956,69.067 h1.55
  text "0.015mm" at 206.346,69.067 h1.55
  text "121.475 (mm)" at -6.953,67.89 h1.52 r270.01
  text "0.12mm" at 223.532,66.857 h1.55
  text "FR-4" at 241.488,66.857 h1.55
  text "4.40" at 264.122,66.857 h1.55
  text "L3_Critical" at 160.574,64.648 h1.55
  text "(.G1)" at 190.956,64.648 h1.55
  text "0.015mm" at 206.346,64.648 h1.55
  text "0.12mm" at 223.532,62.439 h1.55
  text "FR-4" at 241.488,62.439 h1.55
  text "4.40" at 264.122,62.439 h1.55
  text "L4_Critical" at 160.574,60.23 h1.55
  text "(.G2)" at 190.956,60.23 h1.55
  text "0.015mm" at 206.346,60.23 h1.55
  text "0.12mm" at 223.532,58.021 h1.55
  text "FR-4" at 241.488,58.021 h1.55
  text "4.40" at 264.122,58.021 h1.55
  text "L5_GND" at 160.574,55.811 h1.55
  text "(.GP2)" at 190.956,55.811 h1.55
  text "0.015mm" at 206.346,55.811 h1.55
  text "0.12mm" at 223.532,53.602 h1.55
  text "FR-4" at 241.488,53.602 h1.55
  text "4.40" at 264.122,53.602 h1.55
  text "L6_Power" at 160.574,51.393 h1.55
  text "(.GP3)" at 190.956,51.393 h1.55
  text "0.015mm" at 206.346,51.393 h1.55
  text "0.12mm" at 223.532,49.184 h1.55
  text "FR-4" at 241.488,49.184 h1.55
  text "4.40" at 264.122,49.184 h1.55
  text "L7_Non-Critical" at 160.574,46.975 h1.55
  text "(.G3)" at 190.956,46.975 h1.55
  text "0.015mm" at 206.346,46.975 h1.55
  text "0.12mm" at 223.532,44.765 h1.55
  text "FR-4" at 241.488,44.765 h1.55
  text "4.40" at 264.122,44.765 h1.55
  text "L8_Power" at 160.574,42.556 h1.55
  text "(.GP4)" at 190.956,42.556 h1.55
  text "0.015mm" at 206.346,42.556 h1.55
  text "0.12mm" at 223.532,40.347 h1.55
  text "FR-4" at 241.488,40.347 h1.55
  text "4.40" at 264.122,40.347 h1.55
  text "L9_Critical" at 160.574,38.138 h1.55
  text "(.G4)" at 190.956,38.138 h1.55
  text "0.015mm" at 206.346,38.138 h1.55
  text "0.12mm" at 223.532,35.929 h1.55
  text "FR-4" at 241.488,35.929 h1.55
  text "4.40" at 264.122,35.929 h1.55
  text "L10_Critical" at 160.574,33.719 h1.55
  text "(.G5)" at 190.956,33.719 h1.55
  text "0.015mm" at 206.346,33.719 h1.55
  text "0.12mm" at 223.532,31.51 h1.55
  text "FR-4" at 241.488,31.51 h1.55
  text "4.40" at 264.122,31.51 h1.55
  text "L11_GND" at 160.574,29.301 h1.55
  text "(.GP5)" at 190.956,29.301 h1.55
  text "0.015mm" at 206.346,29.301 h1.55
  text "0.077mm" at 223.532,27.092 h1.55
  text "FR-4" at 241.488,27.092 h1.55
  text "4.40" at 264.122,27.092 h1.55
  text "L12_Bottom Layer" at 160.574,24.883 h1.55
  text "(.GBL)" at 190.956,24.883 h1.55
  text "0.015mm" at 206.346,24.883 h1.55
  text "Bottom Solder Mask" at 160.574,20.464 h1.55
  text "(.GBS)" at 190.956,20.464 h1.55
  text "0.0102mm" at 223.532,20.464 h1.55
  text "Solder Resist" at 241.488,20.464 h1.55
  text "3.50" at 264.122,20.464 h1.55
  text "119.124 (mm)" at 51.112,-6.108 h1.52 r0.02
  text "D" at -39.542,-28.027 h1.78
  text "D" at 460.838,-28.402 h1.78
  text "ENGINEER:" at 344.808,-53.857 h1.14
  text "TITLE:" at 382.908,-53.857 h1.14
  text "Alan Langman," at 309.225,-54.575 h1.52
  text "OJONAV HAZARIKA" at 346.078,-57.286 h1.78
  text "Ojonav Hazarika" at 309.225,-57.55 h1.52
  text "White RHINO 0.1" at 399.088,-59.013 h3.81
  text "PCB DESIGNER:" at 344.808,-61.35 h1.14
  text "Radar And" at 308.943,-61.884 h1.52
  text "University of Cape Town" at 396.115,-63.919 h1.91
  text "Remote Sensing Group" at 308.943,-64.5 h1.52
  text "OJONAV HAZARIKA" at 345.443,-64.932 h1.78
  text "DATE:" at 344.808,-69.097 h1.14
  text "PART NO.:" at 382.908,-69.097 h1.14
  text "REV:" at 436.248,-69.097 h1.14
  text "University of Cape Town" at 309.045,-69.148 h1.52
  text "0.1" at 444.173,-71.815 h1.78
  text "May 14, 2013" at 346.078,-72.145 h1.78
  text "FILE NAME:" at 344.808,-76.717 h1.14
  text "DWG NO:" at 382.908,-76.717 h1.14
  text "SCALE:" at 436.248,-76.717 h1.14
  text "1" at 7.551,-86.796 h1.78
  text "2" at 109.024,-86.796 h1.78
  text "3" at 210.497,-86.796 h1.78
  text "4" at 312.123,-86.796 h1.78
  text "5" at 413.68,-86.796 h1.78